# Altium PCB MS-002.22T003末端控制板PCB图 V1.0.PcbDoc
Units mil, origin at the board's own origin, x right, y up, seen from the top; angles counter-clockwise.
Board outline 2677.05 x 2480.31 mil, 2 copper layers (Top Layer, Bottom Layer), stack 61.756 mil thick; 52 components, 42 nets, 148 pads, 81 vias.
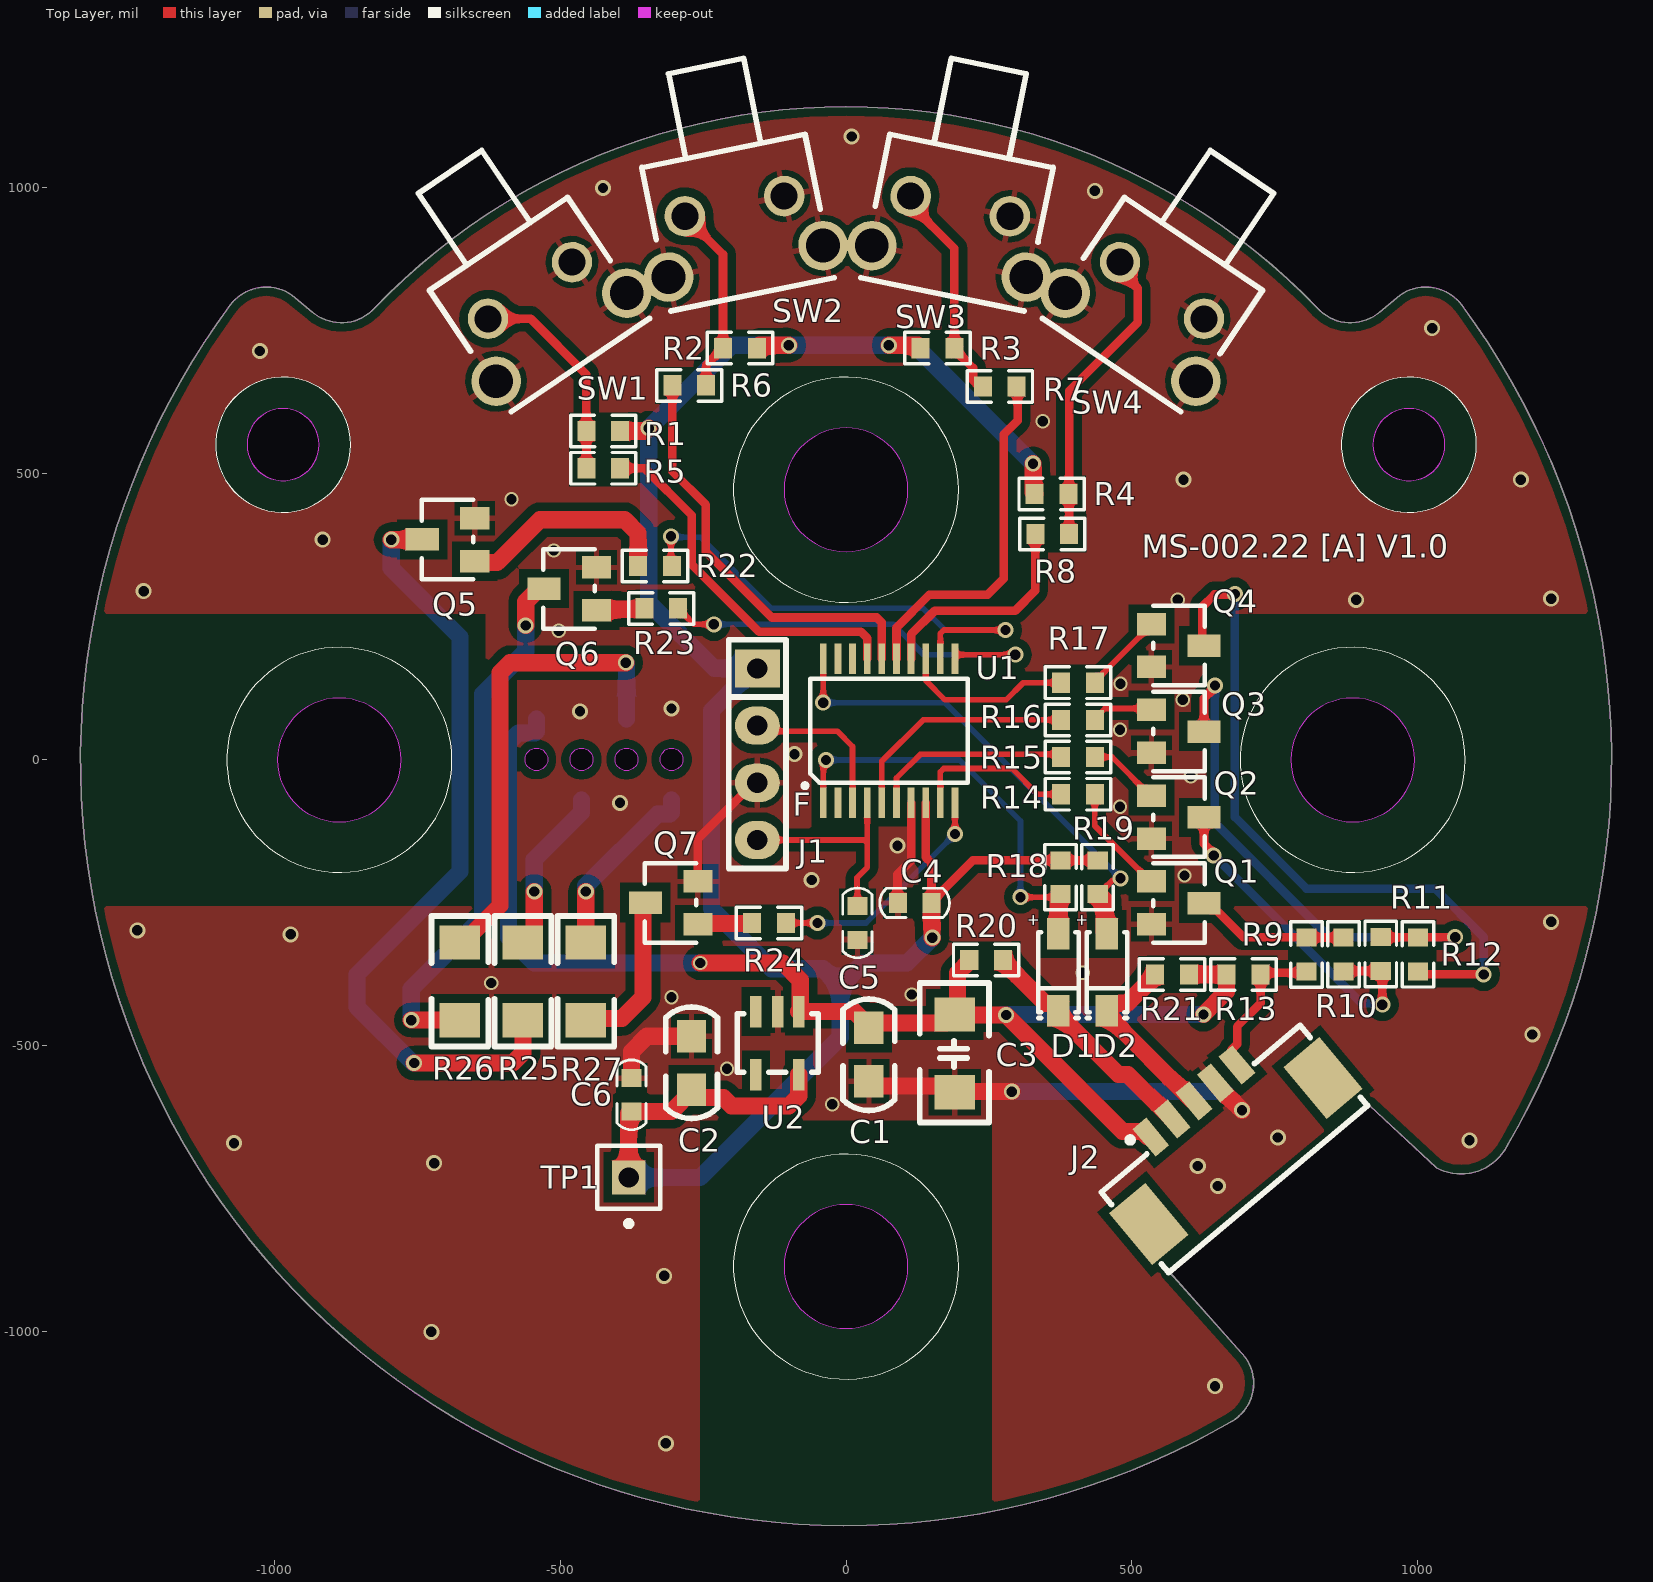
[diagram p0: Top Layer view]
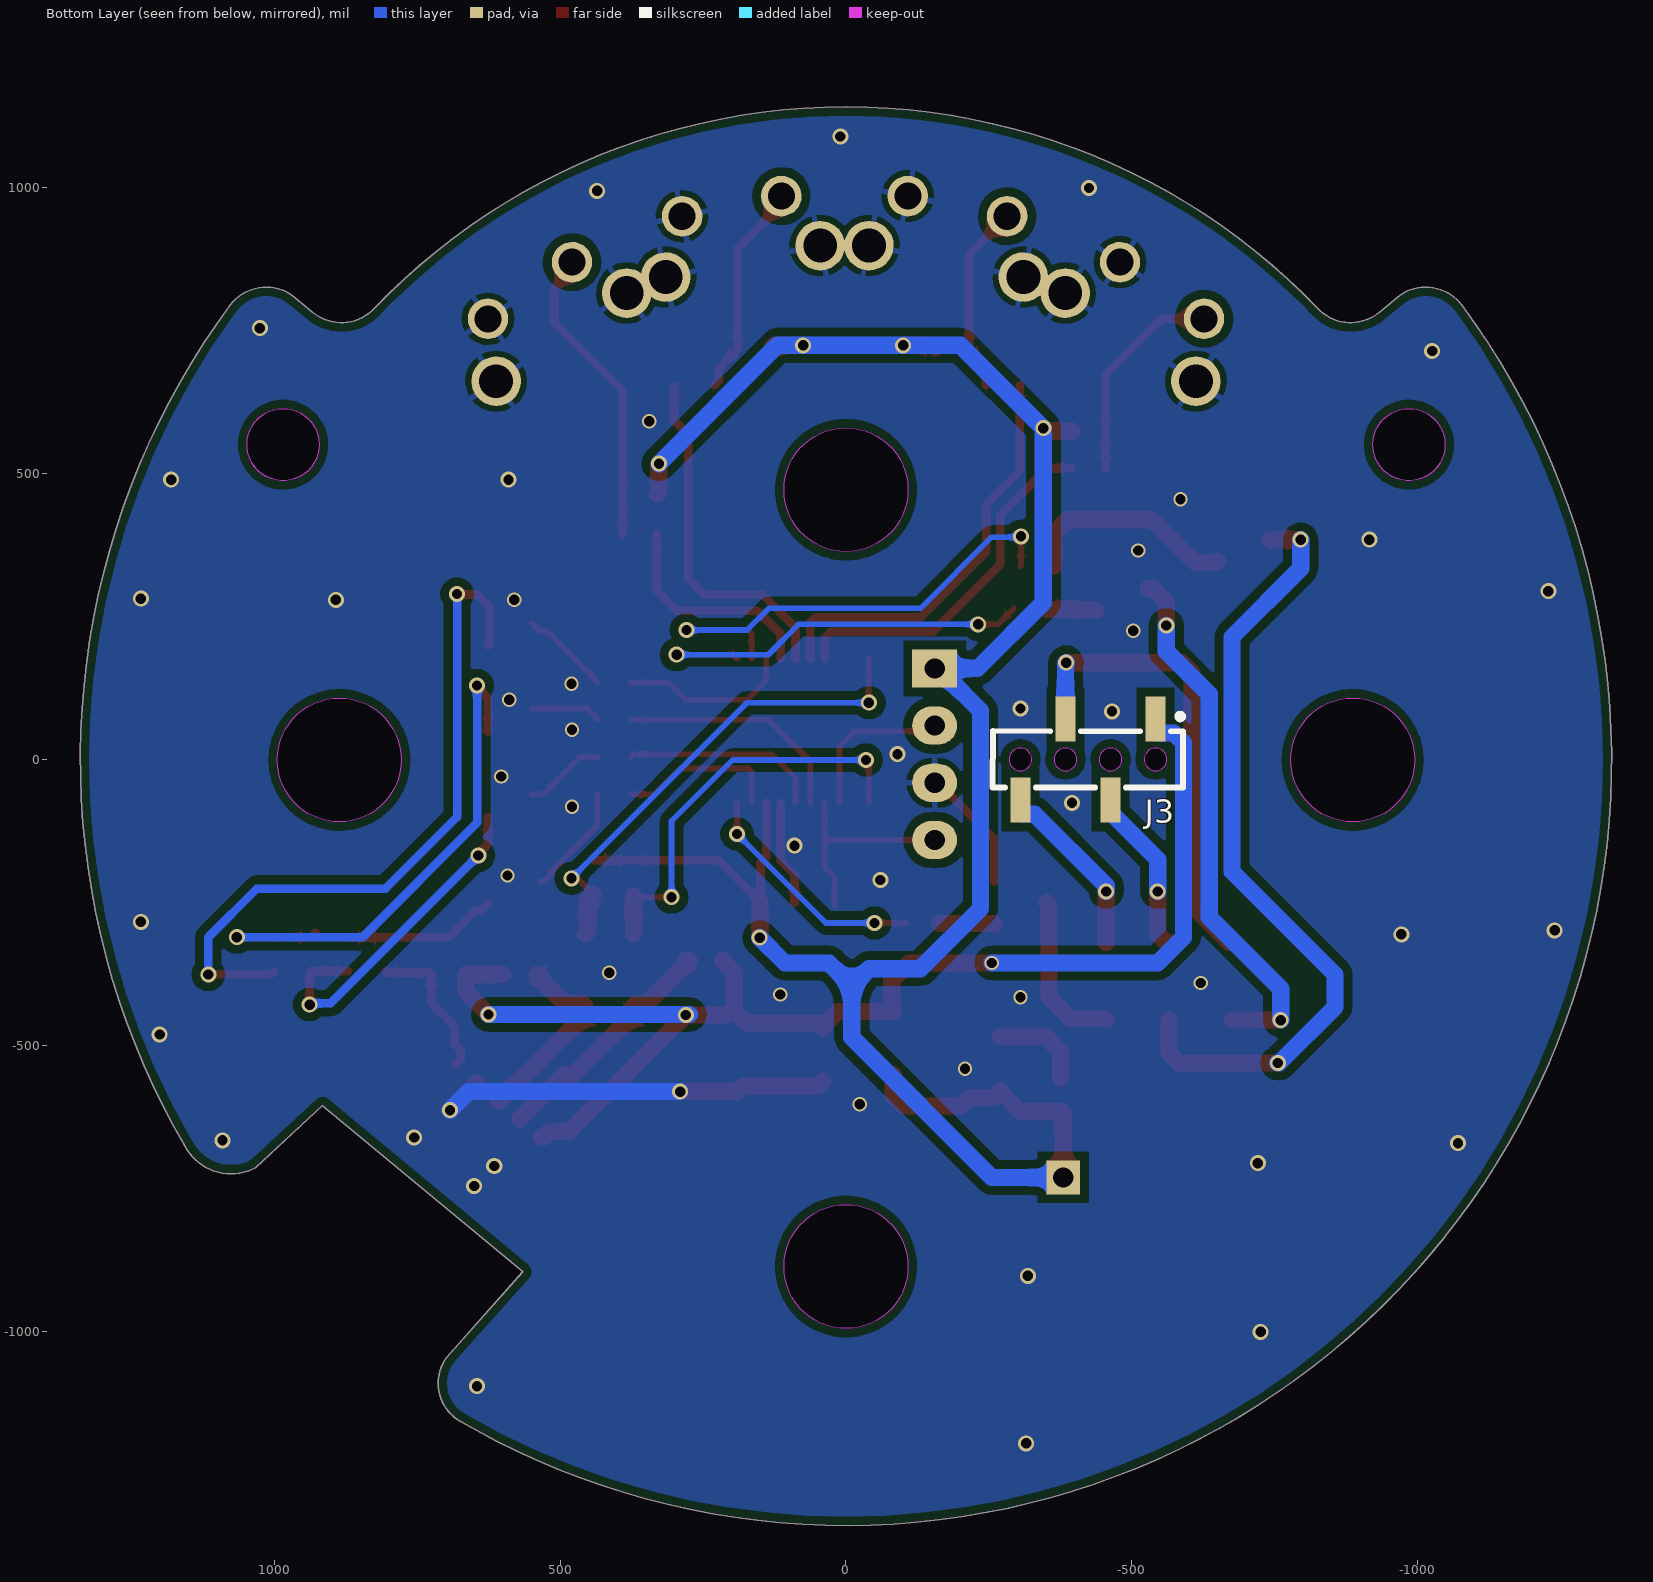
[diagram p1: Bottom Layer view, seen from below]
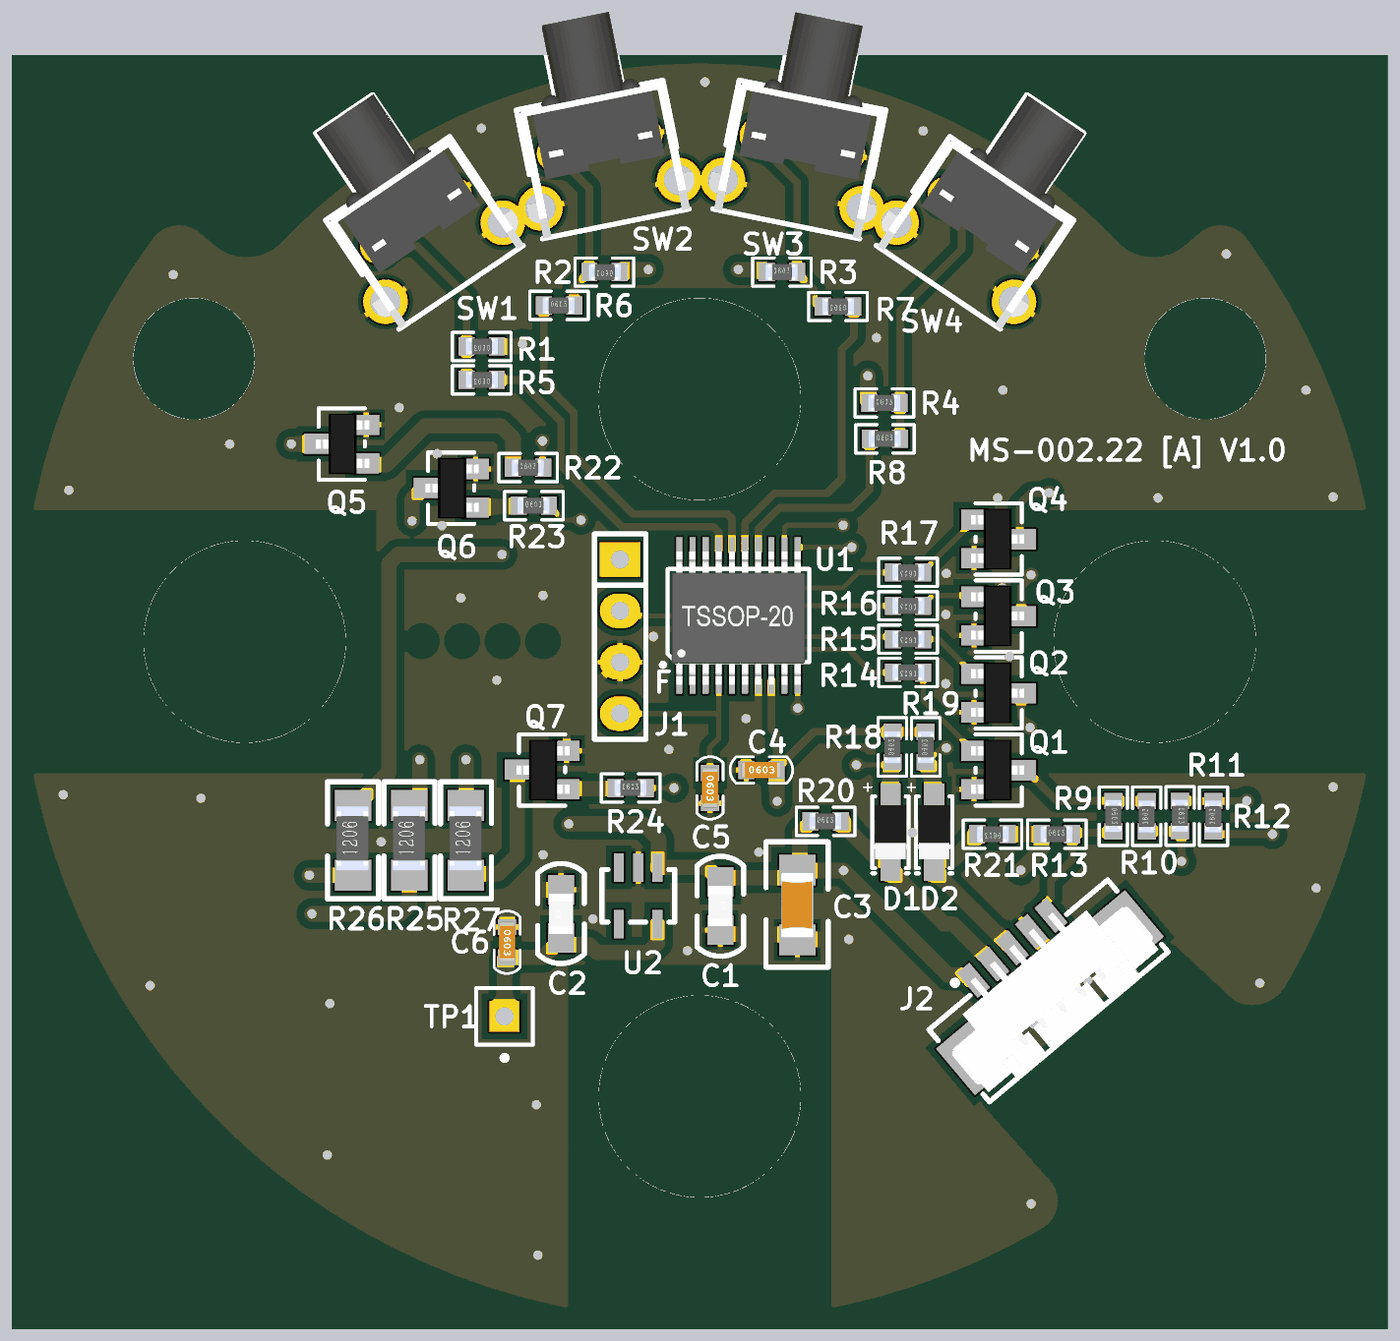
[diagram p2: 3D render of the assembled board from above, using the file's embedded part models]

## Layer stack, top to bottom
Top Solder: solder mask 1, SM-001, Dk 4
Top Layer: signal copper 1.378
Dielectric 1: core 59, Core-043, Dk 4.3
Bottom Layer: signal copper 1.378
Bottom Solder: solder mask 1, SM-001, Dk 4

## Board outline
-1077.19,794.65 ccw(c0,0) 680.64,-1152.62 ccw(c635.47,-1089.76) 698.33,-1044.59 565,-895 915.52,-604.44 1032.03,-712.82 ccw(c1075.29,-632.78) 1155.32,-676.04 ccw(c0,0) 1077.19,794.65 ccw(c1013.82,747.91) 963.21,808.23 932.99,782.87 cw(c882.38,843.19) 825.45,788.79 ccw(c0,0) -825.45,788.79 cw(c-882.38,843.19) -932.99,782.87 -963.21,808.23 ccw(c-1013.82,747.91)
cut-out: 921.26,551.18 ccw(c984.25,551.18) 984.25,488.19 ccw(c984.25,551.18) 1047.24,551.18 ccw(c984.25,551.18) 984.25,614.17 ccw(c984.25,551.18)
cut-out: -1047.24,551.18 ccw(c-984.25,551.18) -984.25,488.19 ccw(c-984.25,551.18) -921.26,551.18 ccw(c-984.25,551.18) -984.25,614.17 ccw(c-984.25,551.18)
cut-out: 777.56,0 ccw(c885.83,0) 885.83,-108.27 ccw(c885.83,0) 994.09,0 ccw(c885.83,0) 885.83,108.27 ccw(c885.83,0)
cut-out: -108.27,472.44 ccw(c0,472.44) 0,364.17 ccw(c0,472.44) 108.27,472.44 ccw(c0,472.44) 0,580.71 ccw(c0,472.44)
cut-out: -108.27,-885.83 ccw(c0,-885.83) 0,-994.09 ccw(c0,-885.83) 108.27,-885.83 ccw(c0,-885.83) 0,-777.56 ccw(c0,-885.83)
cut-out: -994.09,0 ccw(c-885.83,0) -885.83,-108.27 ccw(c-885.83,0) -777.56,0 ccw(c-885.83,0) -885.83,108.27 ccw(c-885.83,0)

## Design rules (kind name [scope] priority, off if disabled: settings)
Clearance Clearance_1 [InPolygon] p1: gap=15 ignorepadtopadclearanceinfootprint=FALSE
Clearance [All] p2: gap=10 ignorepadtopadclearanceinfootprint=FALSE
ComponentClearance [All] p1 off: gap=0 collisioncheckmode=3 verticalgap=100000 showdistances=TRUE
HoleSize [All] p1: absolutevalues=TRUE maxlimit=500 minlimit=0 maxpercent=80.000 minpercent=20.000
HoleToHoleClearance [All] p1: gap=0 allowstackedmicrovias=TRUE
MinimumSolderMaskSliver [All] p1: minsoldermaskwidth=0
PlaneConnect [All] p1: pad.planeconnectstyle=Relief pad.reliefexpansion=20 pad.reliefentries=4 pad.reliefconductorwidth=10 pad.reliefairgap=10 via.planeconnectstyle=Direct via.reliefexpansion=20 via.reliefentries=4 via.reliefconductorwidth=10 via.reliefairgap=10
PolygonConnect [All] p1: thpad.connectstyle=Relief thpad.reliefconductorwidth=10 thpad.reliefentries=4 thpad.polygonreliefangle="90 Angle" thpad.airgapwidth=10 smdpad.connectstyle=Relief smdpad.reliefconductorwidth=10 smdpad.reliefentries=4 smdpad.polygonreliefangle="90 Angle" smdpad.airgapwidth=10 via.connectstyle=Direct via.reliefconductorwidth=10 via.reliefentries=4 via.polygonreliefangle="90 Angle" via.airgapwidth=10
RoomDefinition MS-002.22T002 [InComponentClass('MS-002.22T002')] p1: confinementstyle=ConfineOut formatcopy=TRUE lockcomponents=FALSE outline 1310,-790 1925,-790 1925,-655 1310,-655
RoutingVias [All] p1: holewidth=18 width=25 viastyle="Through Hole" minholewidth=18 minwidth=25 maxholewidth=18 maxwidth=25
SilkToSilkClearance [All] p1: silktosilkclearance=0
SilkToSolderMaskClearance [IsPad] p1: minsilkscreentomaskgap=0 clearancetoexposedcopper=TRUE
SolderMaskExpansion [IsVia] p1: expansion=4 istentingtop=TRUE
SolderMaskExpansion SolderMaskExpansion_1 [All] p2: expansion=4 istentingtop=FALSE
Width [All] p1: maxlimit=30 minlimit=10 preferedwidth=10
23 further rules are at their usual default settings.

## Components (designator, comment, footprint, x,y, rotation, side; value= is the part's Value field where it differs from the comment)
C1 "1uF/0805" 0805_C 40,-515 r270 top value=100nF
C2 "2.2uF/0805" 0805_C -270,-530 r90 top value=100nF
C3 "10uF/1206/50V" 1206_C 190,-445 r270 top value=100nF
C4 "0.1uF" 0603_C 120,-250 r180 top value=100nF
C5 "0.1uF" 0603_C 20,-285 r90 top value=100nF
C6 "0.1uF" 0603_C -375,-585.5 r90 top value=100nF
D1 "B5819W" SOD-123 371.24,-371.22 r270 top
D2 "B5819W" SOD-123 456.24,-371.22 r270 top
J1 "4PIN" SIP4_2.54 -155,10 r90 top
J2 "5PIN" 1.25T-5P-WT 645,-640 r40 top locked
J3 "4PIN" CONN-SMD_2243-104 -423.11,0.87 r0 bottom locked
Q1 "S8050" SOT-23_3 580,-250 r270 top
Q2 "S8050" SOT-23_3 580,-100 r270 top
Q3 "S8050" SOT-23_3 580,50 r270 top
Q4 "S8050" SOT-23_3 580,200 r270 top
Q5 "S8050" SOT-23_3 -695,385 r90 top
Q6 "S8050" SOT-23_3 -482,299 r90 top
Q7 "S8050" SOT-23_3 -305,-250 r90 top
R1 "10k" 0603_R -424.5,575 r180 top
R2 "10k" 0603_R -185.5,720 r180 top
R3 "10k" 0603_R 160,720 r0 top
R4 "10k" 0603_R 359.5,465 r0 top
R5 "100k" 0603_R -424.5,510 r180 top
R6 "100k" 0603_R -274,655 r0 top
R7 "100k" 0603_R 269,653 r180 top
R8 "100k" 0603_R 360.5,395 r0 top
R9 "200R" 0603_R 805,-340 r270 top
R10 "330R" 0603_R 870,-340 r90 top
R11 "510R" 0603_R 935,-339.5 r270 top
R12 "1.5k" 0603_R 1000,-340 r90 top
R13 "1k" 0603_R 695,-375 r0 top
R14 "2k" 0603_R 405.5,-60 r180 top
R15 "2k" 0603_R 405.5,5 r180 top
R16 "2k" 0603_R 405.5,70 r180 top
R17 "2k" 0603_R 405.5,135 r180 top
R18 "10k" 0603_R 375,-205 r90 top
R19 "10k" 0603_R 440,-205 r90 top
R20 "10k" 0603_R 245,-350 r0 top
R21 "10k" 0603_R 570,-375 r180 top
R22 "2k" 0603_R -334,339 r0 top
R23 "2k" 0603_R -323,265 r0 top
R24 "2k" 0603_R -134.5,-285 r0 top
R25 "200R/1206" 1206_R -565,-455 r90 top
R26 "0R/1206" 1206_R -675,-455 r90 top
R27 "200R/1206" 1206_R -455,-455 r90 top
SW1 "TC-1102N-C-EL-B" TC-1102N-C-EL-B -525,780 r214 top locked
SW2 "TC-1102N-C-EL-B" TC-1102N-C-EL-B -185,920 r191.5 top locked
SW3 "TC-1102N-C-EL-B" TC-1102N-C-EL-B 190,920 r168.5 top locked
SW4 "TC-1102N-C-EL-B" TC-1102N-C-EL-B 525,780 r146 top locked
TP1 "3.3V" TP1 -380,-730 r180 top
U1 "STM8L101F3P6" TSSOP-20 75.43,50.98 r90 top
U2 "TPS70933DBVR" SOT-23_5 -120,-495 r180 top

## Footprints (in the part's own frame and the unit in brackets; to place one, negate y for a bottom-side part, rotate by r counter-clockwise, add the part's x,y. Pads: shape width x height; smd on the part's side, far side on the other; paste and mask are expansions set on the pad)
1.25T-5P-WT [mm]
  rect 0.8x1.6 smd: 1(-2.5,1.45) 2(-1.25,1.45) 3(0,1.45) 4(1.25,1.45) 5(2.5,1.45)
  rect 2.1x3 smd: 6(-5.05,-1.45) 7(5.05,-1.45)
  silkscreen extent -5.76,-3.66 5.77,2.07, body extent -5.7,-3.68 5.7,1.51, height 3.4
0603_C [mm]
  rect 0.8x0.9 smd: 1(-0.749,0) 2(0.749,0)
  silkscreen extent -1.55,-0.65 1.55,0.65, body extent -0.99,-0.39 1.01,0.39, height 0.79
0603_R [mm]
  rect 0.8x0.9 smd: 1(-0.749,0) 2(0.749,0)
  silkscreen extent -1.45,-0.7 1.45,0.7, body extent -0.81,-0.4 0.79,0.4, height 0.42
0805_C [mm]
  rect 1.45x1.3 smd: 1(-1.19,0) 2(1.19,0)
  silkscreen extent -2.47,-1.15 2.49,1.15, body extent -1,-0.6 1,0.6, height 0.8
1206_C [mm]
  rect 1.524x1.8 smd: 1(0,0) 2(3.45,0)
  silkscreen extent -1.4,-1.55 4.8,1.52, body extent 0.13,-0.8 3.33,0.8, height 1.3
1206_R [mm]
  rect 1.524x1.8 smd: 1(0,0) 2(3.45,0)
  silkscreen extent -1.17,-1.26 4.62,1.26, body extent 0.23,-0.77 3.43,0.83, height 0.58
CONN-SMD_2243-104 [mm]
  rect 0.9x2 smd mask+0.05: 1(-3,-1.8) 2(-1,1.8) 3(1,-1.8) 4(3,1.8)
  Keep-Out Layer board cut-out: -2.5,0 -2.5,0.099 -2.576,0.283 -2.717,0.424 -2.901,0.5 -3.099,0.5 -3.283,0.424 -3.424,0.283 -3.5,0.099 -3.5,0 -3.5,-0.099 -3.424,-0.283 -3.283,-0.424 -3.099,-0.5 -2.901,-0.5 -2.717,-0.424 -2.576,-0.283 -2.5,-0.099 -2.5,0 -2.5,0
  Keep-Out Layer board cut-out: -0.5,0 -0.5,0.099 -0.576,0.283 -0.717,0.424 -0.901,0.5 -1.099,0.5 -1.283,0.424 -1.424,0.283 -1.5,0.099 -1.5,0 -1.5,-0.099 -1.424,-0.283 -1.283,-0.424 -1.099,-0.5 -0.901,-0.5 -0.717,-0.424 -0.576,-0.283 -0.5,-0.099 -0.5,0 -0.5,0
  Keep-Out Layer board cut-out: 1.5,0 1.5,0.099 1.424,0.283 1.283,0.424 1.099,0.5 0.901,0.5 0.717,0.424 0.576,0.283 0.5,0.099 0.5,0 0.5,-0.099 0.576,-0.283 0.717,-0.424 0.901,-0.5 1.099,-0.5 1.283,-0.424 1.424,-0.283 1.5,-0.099 1.5,0 1.5,0
  Keep-Out Layer board cut-out: 3.5,0 3.5,0.099 3.424,0.283 3.283,0.424 3.099,0.5 2.901,0.5 2.717,0.424 2.576,0.283 2.5,0.099 2.5,0 2.5,-0.099 2.576,-0.283 2.717,-0.424 2.901,-0.5 3.099,-0.5 3.283,-0.424 3.424,-0.283 3.5,-0.099 3.5,0 3.5,0
  silkscreen extent -4.22,-2.03 4.24,1.25
SIP4_2.54 [mm]
  rect 1.7x2 hole 0.9: 1(3.81,0)
  oval 1.7x2 hole 0.9: 2(1.27,0) 3(-1.27,0) 4(-3.81,0)
  silkscreen extent -5.08,-1.27 5.08,1.27
SOD-123 [mm]
  rect 1.4x1 smd: 1(-1.7,0) 2(1.7,0)
  silkscreen extent -1.78,-0.9 2.03,0.9, body extent -1.85,-0.8 1.85,0.8
SOT-23_3 [mm]
  rect 1x1.29 smd: 1(-0.952,-1.166) 2(0.953,-1.166)
  rect 1x1.47 smd: 3(0.013,1.166)
  silkscreen extent -1.77,-1.09 1.77,1.19, body extent -1.5,-1.32 1.5,1.32, height 1.08
SOT-23_5 [mil]
  rect 20x55.12 smd: 1(-37.5,-55.12) 2(-0.5,-55.12) 3(37.5,-55.12) 4(37.5,55.12) 5(-37.5,55.12)
  silkscreen extent -71,-51 70,51
TC-1102N-C-EL-B [mm]
  round 1.8 hole 1.2: 1(-2.25,-1.25) 2(2.25,-1.25)
  round 2.2 hole 1.5: 3(3.5,1.25) 4(-3.5,1.25)
  silkscreen extent -3.7,-7.6 3.7,2.75, body extent -4.25,-7.6 4.15,2.75, height 6.6
TP1 [mm]
  rect 1.5x1.5 hole 0.9: 1(0,0)
  silkscreen extent -1.4,-1.4 1.4,2.17
TSSOP-20 [mm]
  rect 1.35x0.3 smd: 1(-3.2,2.925) 2(-3.2,2.275) 3(-3.2,1.625) 4(-3.2,0.975) 5(-3.2,0.325) 6(-3.2,-0.325) 7(-3.2,-0.975) 8(-3.2,-1.625) 9(-3.2,-2.275) 10(-3.2,-2.925) 11(3.2,-2.925) 12(3.2,-2.275) 13(3.2,-1.625) 14(3.2,-0.975) 15(3.2,-0.325) 16(3.2,0.325) 17(3.2,0.975) 18(3.2,1.625) 19(3.2,2.275) 20(3.2,2.925)
  silkscreen extent -2.54,-3.5 2.3,3.84, body extent -3.42,-3.3 3.18,3.3, height 1.2

## Part data
C1 C2 C3 C4 C5 C6: library part Cap, "Capacitor", LatestRevisionDate=17-Jul-2002, LatestRevisionNote="Re-released for DXP Platform.", PackageDescription="Radial Cap, Thru-Hole; 2 Leads; 0.3 in Pin Spacing", PackageReference=RAD-0.3, Published=8-Jun-2000, Publisher="Altium Limited"
D1 D2: library part 1N4148, "Diode", Code_JEDEC=DO-204-AH, ComponentLink1Description="Manufacturer Link", ComponentLink1URL=http://www.fairchildsemi.com/, ComponentLink2Description=Datasheet, ComponentLink2URL=http://www.fairchildsemi.com/ds/1N%2F1N4148.pdf, DatasheetVersion=1997, LatestRevisionDate=17-Jul-2002, LatestRevisionNote="Re-released for DXP Platform.", PackageDescription="Diode, Axial; Body 3.8 x 1.9 mm (LxDia. max), Lead Dia. 0.53 mm (max)", PackageReference=DO-35, Published=8-Jun-2000, Publisher="Altium Limited"
Q1 Q2 Q3 Q4 Q5 Q6 Q7: library part NPN
R1 R2 R3 R4 R9 R10 R11 R12 R13 R14 R15 R16 R17 R18 R19 R20 R21 R22 R23 R24: library part RES
R5 R6 R7 R8: library part "0603 10KΩ (1002) 1%", "贴片电阻", Package=0603, SuppliersPartNumber=C25804, ComponentLink1Description=供应商链接, ComponentLink1URL=http://www.szlcsc.com/product/details_26547.html, Supplier=LC
R25 R26 R27: library part RES_0805
SW1 SW2 SW3 SW4: BOM_JLCPCB Part Class="Extended Part", BOM_Manufacturer="XKB Enterprise", BOM_Manufacturer Part=TC-1102N-C-EL-B, BOM_Supplier=LCSC, BOM_Supplier Part=C406157, Contributor=LCSC, spicePre=S, spiceSymbolName=TC-1102N-C-EL-B
TP1: library part TP

## Via types
v1: diameter 28, hole 18, Top Layer to Bottom Layer, tented both sides, 63 vias
v2: diameter 25, hole 18, Top Layer to Bottom Layer, tented both sides, 18 vias

## Nets (pads, with @x,y where several pads share a name; then routed paths per layer and width w, separated by ;. In a path a pad name is that pad's centre, name@x,y a point inside that pad or via, vN(x,y) a via of type N, cw(c..) or ccw(c..) an arc to the next point about the centre after c; other vN are vias at no path point)
B: R24.2 U1.10 | length 415.3
  Top Layer w10: R24.2 v1(-50,-285) ; v1@190,-130 v1(190.59,-129.41) U1.10
  Bottom Layer w10: v1(-50,-285) 35,-285 v1(190.59,-129.41)
G: R23.2 U1.11 | length 735
  Top Layer w10: R23.2 -265.5,237 v1(-231,237) ; U1.11 190.59,183.09 191.5,184 v1(296,184)
  Bottom Layer w10: v1(-231,237) 83,237 136,184 v1(296,184)
GND: C1.2 C2.2 C3.2 C4.2 C5.1 C6.2 J1.3 J2.4 Q1.2 Q2.2 Q3.2 Q4.2 Q5.2 Q6.2 Q7.2 SW1.1 SW1.3 SW1.4 SW2.1 SW2.3 SW2.4 SW3.1 SW3.3 SW3.4 SW4.1 SW4.3 SW4.4 U1.7 U2.2 | length 1307.6
  Top Layer w15: Q7.2 -259.09,-138.19 -160.91,-40 J1.3 ; C4.2 90,-249.5 90,-200 113.82,-176.18 U1.7
  Top Layer w30: C6.2 -375,-510 -348.17,-483.17 C2.2 ; C1.2 48.17,-570 179.17,-570 C3.2 190.83,-580 v1(290,-580) ; J2.4 646,-566 v1(692.5,-612.5)
  Bottom Layer w30: v1(290,-580) 660,-580 v1(692.5,-612.5)
  other v1: -315,-1195 645,-1095 -725,-1000 -318,-902 650,-745 615,-710 -720,-705 -1070,-670 1090,-665 755,-660 1200,-480 -971,-305 -1239,-298 1233,-283 -60,-210 90,-150 -395,-75 -90,10 -465,85 -305,90 892,280 1233,282 -1228,295 -915,385 590,490 1180,490 -1025,715 1025,755 435,995 -425,1000 10,1090
  other v2: -24,-602 -208,-540 -305,-415 115,-410 -620,-390 414,-372 592,-202 479,-82 603,-29 479,53 589,105 480,133 -502,226 580,280 -511,366 -585,456 344,592
Keyout: J2.5 R9.2 R13.2 | length 268.4
  Top Layer w15: J2.5@683.7,-531.06 J2.5 673.58,-522.88 673.58,-507.42 683.7,-497.3 683.7,-466.3 725,-425 725,-375.5 R13.2 727.25,-372.25 802.25,-372.25 R9.2
NetC5_2: C5.2 J1.4 U1.4 | length 382.4
  Top Layer w10: J1.4 32.05,-140 37.05,-145 ; C5.2 20,-224.75 19.14,-223.89 19.14,-205.86 37.05,-187.95 37.05,-145 ; U1.4 37.05,-145
NetD1_1: D1.1 R18.1 U1.1 | length 732.7
  Top Layer w10: U1.1 -39.72,-9.6 -35,-4.87 v1(-35,0) ; v1(305,-240) 369.5,-240 371.24,-238.26 R18.1
  Top Layer w30: D1.1 R18.1@371.24,-238.26
  Bottom Layer w10: v1(-35,0) 198.23,0 305,-106.77 v1(305,-240)
NetD1_2: D1.2 J2.2 R20.2 | length 421.6
  Top Layer w30: R20.2 274.5,-351.97 348.12,-425.59 366.56,-425.59 371.24,-430.28 D1.2 371.24,-446.03 375.93,-450.71 377.08,-450.71 476.37,-550 492.7,-550 J2.2
NetD2_1: D2.1 R19.1 U1.20 | length 853.3
  Top Layer w10: v1(-40,100) -39.86,100.14 -39.86,176.83 U1.20 ; R19.1@442.47,-235 440.5,-235 R19.1 441.97,-234.5 466.02,-210.44 476.56,-210.44 v1(480,-207)
  Top Layer w30: R19.1@442.47,-235 451.56,-244.09 451.56,-299.61 D2.1
  Bottom Layer w10: v1(-40,100) 173,100 v1(480,-207)
NetD2_2: D2.2 J2.3 R21.2 | length 338.3
  Top Layer w30: R21.2 540.5,-376.97 491.88,-425.59 460.93,-425.59 456.24,-430.28 D2.2 456.24,-446.03 606.49,-596.27 J2.3
NetJ1_2: J1.2 U1.3 | length 280.1
  Top Layer w10: J1.2 -145,50 -15,50 11.46,23.54 U1.3
NetQ1_1: Q1.1 R14.1 | length 196.9
  Top Layer w10: R14.1 435,-115 513.7,-193.7 513.7,-197.82 528.39,-212.5 Q1.1
NetQ1_3: Q1.3 R9.1 R10.2 | length 268.9
  Top Layer w15: Q1.3 638.09,-262.69 647.69,-262.69 695,-310 804.5,-310 R9.1 R10.2
NetQ2_1: Q2.1 R15.1 | length 141.9
  Top Layer w10: R15.1 465,5 530,-60 Q2.1@550,-60
NetQ2_3: Q2.3 R10.1 R11.2 | length 601.7
  Top Layer w15: Q2.3 625.91,-146.51 642.87,-163.48 v1(642.87,-167) ; R10.1 870.25,-369.25 934.75,-369.25 R11.2 937.82,-371.82 v1(937.82,-427.82)
  Bottom Layer w15: v1(642.87,-167) 901.32,-425.45 935.45,-425.45 v1(937.82,-427.82)
NetQ3_1: Q3.1 R16.1 | length 124.4
  Top Layer w10: R16.1 435,71.97 453.03,90 Q3.1@550,90
NetQ3_3: Q3.3 R11.1 R12.2 | length 973.8
  Top Layer w15: Q3.3 625.91,107.39 645,126.48 v1(645,130) ; Q3.3@641.81,52 Q3.3@642.87,53.06 ; R11.1@927.49,-302.49 R11.1 935.25,-310.25 999.75,-310.25 R12.2 1000.25,-310.25 1064.75,-310.25 v1(1065,-310)
  Bottom Layer w15: v1(645,130) 645,-110 845,-310 v1(1065,-310)
NetQ4_1: Q4.1 R17.1 | length 159.6
  Top Layer w10: R17.1 435,136.97 523.35,225.32 535.32,225.32 Q4.1@550,240
NetQ4_3: Q4.3 R12.1 | length 1230.2
  Top Layer w15: Q4.3 622.9,202.51 622.9,267.9 644.19,289.19 679.19,289.19 v1(680,290) ; R12.1 1005.5,-375 v1(1115,-375)
  Bottom Layer w15: v1(680,290) 680,-100 805,-225 1030,-225 1115,-310 v1(1115,-375)
NetQ5_1: Q5.1 R22.1 | length 384.9
  Top Layer w30: Q5.1 -646.6,345 -610,345 -535,420 -387,420 -363.5,396.5 R22.1
NetQ5_3: Q5.3 R25.1 | length 1391
  Top Layer w30: v1(-795,385) -741.41,385 Q5.3 ; v1(-755,-530) -582.57,-530 -565,-512.43 R25.1
  Bottom Layer w30: v1(-795,385) -795,335 -675,215 -675,-195 -855,-375 -855,-432.23 -757.23,-530 v1(-755,-530)
NetQ6_1: Q6.1 R23.1 | length 85.6
  Top Layer w30: Q6.1 -434.35,263.25 -353.25,263.25 -352.5,264 R23.1
NetQ6_3: Q6.3 R26.1 | length 941.1
  Top Layer w30: v1(-760,-455) R26.1 ; v1(-560,235) -560,276.66 -537.16,299.5 Q6.3
  Bottom Layer w30: v1(-760,-455) -760,-400 -635,-275 -635,115 -560,190 v1(-560,235)
NetQ7_1: Q7.1 R24.1 | length 96.4
  Top Layer w30: Q7.1 -257.85,-286.25 -164.75,-286.25 -164,-285.5 R24.1
NetQ7_3: Q7.3 R27.1 | length 283.8
  Top Layer w30: R27.1 -452.14,-452.14 -392.14,-452.14 -355,-415 -355,-253.59 Q7.3
NetR1_2: R1.2 R5.2 SW1.2 | length 376.2
  Top Layer w15: SW1.2 -551.26,771.26 -454,674 R1.2 R5.2
NetR2_2: R2.2 R6.2 SW2.2 | length 336.5
  Top Layer w15: SW2.2 -215,883.95 R2.2 -215,718.03 -223.25,709.78 -225.22,709.78 -244.5,690.5 R6.2
NetR3_2: R3.2 R7.2 SW3.2 | length 379.6
  Top Layer w15: SW3.2 113.01,970.77 189.5,894.27 R3.2 189.5,718.03 222.25,685.28 222.25,663.25 R7.2@230.5,655
NetR4_2: R4.2 R8.2 SW4.2 | length 537.8
  Top Layer w15: R8.2 390,645 510,765 510,824.3 479.08,855.22 SW4.2
QB: J3.4 R27.2 | length 324
  Top Layer w30: R27.2 v1(-455,-230)
  Bottom Layer w30: v1(-455,-230) -455,-220 -329.37,-94.37 -307.72,-94.37 -305,-91.65 J3.4
QG: J3.3 R26.2 | length 829.8
  Top Layer w30: R26.2 -669.57,-319.17 -605,-254.61 -605,152.43 -587.43,170 v1(-385,170)
  Bottom Layer w30: v1(-385,170) -383.74,168.74 J3.3
QR: J3.2 R25.2 | length 294.6
  Top Layer w30: R25.2 -560,-319.17 -545,-304.17 v1(-545,-230)
  Bottom Layer w30: v1(-545,-230) -545,-174.17 -462.48,-91.65 J3.2
R: R22.2 U1.12 | length 866.2
  Top Layer w10: v1(-306,391) -306,340.5 R22.2 ; U1.12 165,221.14 170.86,227 v1(279,227)
  Bottom Layer w10: v1(-306,391) -304.5,389.5 -254.5,389.5 -130,265 135,265 173,227 v1(279,227)
SW1: R5.1 U1.17 | length 641.5
  Top Layer w15: R5.1 -352,510 -270,428 -270,342 -152,224 26,224 37,213 37,177.02 U1.17
SW2: R6.1 U1.16 | length 737.4
  Top Layer w15: R6.1 -303.5,504.5 -245,446 -245,364 -130,249 53.85,249 62.64,240.21 U1.16
SW3: R7.1 U1.15 | length 624.1
  Top Layer w15: U1.15 88.23,231.23 146,289 248,289 276,317 276,569 300,593 300,651.5 R7.1
SW4: R8.1 U1.14 | length 390.6
  Top Layer w15: U1.14 113.82,219.82 155,261 296,261 331,296 R8.1
UR_IN1: R14.2 U1.9 | length 286.2
  Top Layer w10: U1.9 165,-20.86 170.86,-15 290,-15 335,-60 R14.2
UR_IN2: R15.2 U1.6 | length 350.4
  Top Layer w10: U1.6 88.23,-31.77 130,10 371,10 R15.2
UR_IN3: R16.2 U1.5 | length 416
  Top Layer w10: U1.5 62.64,-2.36 135,70 R16.2
UR_IN4: R17.2 U1.13 | length 301.1
  Top Layer w10: U1.13 139.41,138.87 173.28,105 280,105 310,135 R17.2
VCC3V3: C2.1 C4.1 C6.1 J1.1 R1.1 R2.1 R3.1 R4.1 R18.2 R19.2 TP1.1 U1.8 U2.5 | length 4120.3
  Top Layer w15: R2.1 R2.1@-153.5,717.5 ; R3.1@128,722.5 R3.1 ; U1.8 139.41,-170 149.5,-180.09 C4.1@149.5,-248.03 ; C4.1 C4.1@149.5,-248.03 ; R19.2 R18.2 222.03,-175.5 C4.1@149.5,-248.03
  Top Layer w30: R1.1 -350,575 v1(-345,580) ; TP1.1 -380,-618.03 -376.97,-615 C6.1 -305.22,-615 C2.1@-270,-579.78 ; C2.1 C2.1@-270,-579.78 ; R2.1 -156,721.97 -155.25,722.72 -153.28,722.72 -151,725 v1(-100,725) ; U2.5 -82.5,-587.43 -100.07,-605 -200,-605 -214.63,-590.37 -259.41,-590.37 C2.1@-270,-579.78 ; v1(75,725) 125.5,725 R3.1@128,722.5 ; C4.1 150.25,-250.75 150.25,-310.25 v1(150.84,-310.84) ; v1(327.13,517.87) 327.13,467.87 R4.1
  Bottom Layer w30: TP1.1 -255,-730 -10,-485 -10,-395 ; J1.1 J1.1@-160.91,160 ; v1(150.84,-310.84) 106.68,-355 30,-355 -10,-395 ; v1(327.13,517.87) 120,725 v1(75,725) v1(-100,725) -200,725 v1(-345,580) -345,275 -230,160 J1.1@-160.91,160 ; J1.1@-160.91,160 -235,85.91 -235,-260 -130,-365 -40,-365 -10,-395
Vin: C1.1 C3.1 J2.1 J3.1 R13.1 R20.1 R21.1 U2.1 | length 2350.3
  Top Layer w30: v2(-255,-355) -110,-355 -80,-385 -80,-437.38 U2.1 14.67,-439.88 40,-465.22 C1.1 48.17,-460 175,-460 C3.1 C3.1@199.17,-435.83 ; R20.1 215.5,-351.97 195,-372.47 195,-431.65 C3.1@199.17,-435.83 ; J2.1 528.05,-659.54 517.93,-649.41 483.59,-649.41 v1(280,-445.83) 209.17,-445.83 C3.1@199.17,-435.83 ; R21.1 R13.1 665,-375.5 665,-405 v1(625,-445)
  Bottom Layer w30: J3.1 -541.22,50.08 -543.94,47.36 -572.43,47.36 -590,29.79 -590,-310 -545,-355 v2(-255,-355) ; v1@274.07,-445 v1(625,-445)
pads on no net: J2.6 J2.7 U1.2 U1.18 U1.19 U2.3 U2.4

## Polygon pours and split planes (outlines as drawn)
GND on Bottom Layer "GND_L02_P001" (solid, remove dead copper, pour order 1): -1077.19,794.65 ccw(c0,0) 680.64,-1152.62 ccw(c635.47,-1089.76) 698.33,-1044.59 565,-895 915.52,-604.44 1032.03,-712.82 ccw(c1075.29,-632.78) 1155.32,-676.04 ccw(c0,0) 1077.19,794.65 ccw(c1013.82,747.91) 963.21,808.23 932.99,782.87 cw(c882.38,843.19) 825.45,788.79 ccw(c0,0) -825.45,788.79 cw(c-882.38,843.19) -932.99,782.87 -963.21,808.23 ccw(c-1013.82,747.91)
GND on Top Layer "GND_L01_P000" (solid, remove dead copper, pour order 0): -1077.19,794.65 ccw(c0,0) 680.64,-1152.62 ccw(c635.47,-1089.76) 698.33,-1044.59 565,-895 915.52,-604.44 1032.03,-712.82 ccw(c1075.29,-632.78) 1155.32,-676.04 ccw(c0,0) 1077.19,794.65 ccw(c1013.82,747.91) 963.21,808.23 932.99,782.87 cw(c882.38,843.19) 825.45,788.79 ccw(c0,0) -825.45,788.79 cw(c-882.38,843.19) -932.99,782.87 -963.21,808.23 ccw(c-1013.82,747.91)

## Keep-outs
Keep-Out Layer:
  circle w0.5: c984.25,551.18 r62.99
  circle w0.5: c-984.25,551.18 r62.99
  circle w0.5: c0,-885.83 r108.27
  circle w0.5: c-885.83,0 r108.27
  circle w0.5: c0,472.44 r108.27
  circle w0.5: c885.83,0 r108.27
  lines w0.5: -1077.19,794.65 cw(c-1013.82,747.91) -963.21,808.23 -932.99,782.87 ccw(c-882.38,843.19) -825.45,788.79 cw(c0,0) 825.45,788.79 ccw(c882.38,843.19) 932.99,782.87 963.21,808.23 cw(c1013.82,747.91) 1077.19,794.65
  lines w1: -1077.19,794.65 ccw(c0,0) 680.64,-1152.62 ccw(c635.47,-1089.76) 698.33,-1044.59 565,-895 915.52,-604.44 1032.03,-712.82 ccw(c1075.29,-632.78) 1155.32,-676.04 ccw(c0,0) 1077.19,794.65

## Other copper
Top Layer:
  pour cut-out: -1102.43,551.18 ccw(c-984.32,551.18) -984.32,433.07 ccw(c-984.32,551.18) -866.21,551.18 ccw(c-984.32,551.18) -984.32,669.29 ccw(c-984.32,551.18)
  pour cut-out: 866.14,551.18 ccw(c984.25,551.18) 984.25,433.07 ccw(c984.25,551.18) 1102.36,551.18 ccw(c984.25,551.18) 984.25,669.29 ccw(c984.25,551.18)
  pour cut-out: -196.85,472.44 ccw(c0,472.44) 0,275.59 ccw(c0,472.44) 196.85,472.44 ccw(c0,472.44) 0,669.29 ccw(c0,472.44)
  pour cut-out: -1082.68,0 ccw(c-885.83,0) -885.83,-196.85 ccw(c-885.83,0) -688.98,0 ccw(c-885.83,0) -885.83,196.85 ccw(c-885.83,0)
  pour cut-out: -196.85,-885.83 ccw(c0,-885.83) 0,-1082.68 ccw(c0,-885.83) 196.85,-885.83 ccw(c0,-885.83) 0,-688.98 ccw(c0,-885.83)
  pour cut-out: 688.98,0 ccw(c885.83,0) 885.83,-196.85 ccw(c885.83,0) 1082.68,0 ccw(c885.83,0) 885.83,196.85 ccw(c885.83,0)
  pour cut-out: -216.54,688.98 -216.54,255.91 216.54,255.91 216.54,688.98
  pour cut-out: -1338.58,-255.91 -629.92,-255.91 -629.92,255.91 -1338.58,255.91
  pour cut-out: -255.91,-1338.58 255.91,-1338.58 255.91,-629.92 -255.91,-629.92
  pour cut-out: 1338.58,255.91 1338.58,-255.91 629.92,-255.91 629.92,255.91

## Silkscreen, mask and mechanical layers (free items; w line width, h text height)
Top Overlay:
  circle w0.5: c-885.83,0 r196.85
  circle w0.5: c0,472.44 r196.85
  circle w0.5: c0,-885.83 r196.85
  circle w0.5: c885.83,0 r196.85
  circle w0.5: c984.18,551.18 r118.11
  circle w0.5: c-984.39,551.19 r118.11
  circle w0.5: c-984.32,551.18 r118.11
  circle w0.5: c984.25,551.18 r118.11
  circle w0.5: c0,-885.83 r196.85
  circle w0.5: c0,472.44 r196.85
  circle w0.5: c885.83,0 r196.85
  circle w0.5: c-885.83,0 r196.85
  text "MS-002.22 [A] V1.0" at 517,353.9 h40
  text "F" at -93,-98 h40
Mechanical 1:
  circle w0.5: c984.25,551.18 r62.99
  circle w0.5: c-984.32,551.18 r62.99
  circle w0.5: c885.83,0 r108.27
  circle w0.5: c0,472.44 r108.27
  circle w0.5: c-885.83,0 r108.27
  circle w0.5: c0,-885.83 r108.27
  lines w0.5: -1077.19,794.65 cw(c-1013.82,747.91) -963.21,808.23 -932.99,782.87 ccw(c-882.38,843.19) -825.45,788.79 cw(c0,0) 825.45,788.79 ccw(c882.38,843.19) 932.99,782.87 963.21,808.23 cw(c1013.82,747.91) 1077.19,794.65
  lines w1: -1077.19,794.65 ccw(c0,0) 680.64,-1152.62 ccw(c635.47,-1089.76) 698.33,-1044.59 565,-895 915.52,-604.44 1032.03,-712.82 ccw(c1075.29,-632.78) 1155.32,-676.04 ccw(c0,0) 1077.19,794.65
Mechanical 5:
  circle w0.5: c885.83,0 r60.01
  circle w0.5: c0,472.44 r41.22
  circle w0.5: c-885.83,0 r60.01
  circle w0.5: c0,-885.83 r43.16
  circle w0.5: c0,-885.83 r108.27
  circle w0.5: c-885.83,0 r108.27
  circle w0.5: c885.83,0 r108.27
  circle w0.5: c0,472.44 r108.27
  lines w0.5: -723.34,812.99 -716.92,803.47 -582.75,604.3 ; -723.34,812.99 -341.13,767.07 ; -723.34,812.99 -713.73,819.86 -491.7,969.44 -481.91,976.04 ; -582.75,604.3 -341.13,767.07 ; -582.75,604.3 -481.91,976.04 ; -481.91,976.04 -475.31,966.24 -341.13,767.07 ; -357.07,1028.29 -354.73,1016.72 -310.46,798.32 -307.02,781.35 ; -357.07,1028.29 -345.5,1030.64 -83.12,1083.82 -71.55,1086.17 ; -357.07,1028.29 -21.49,839.23 ; -307.02,781.35 -21.49,839.23 ; -307.02,781.35 -71.55,1086.17 ; -71.55,1086.17 -21.49,839.23 ; 21.49,839.23 307.02,781.35 ; 21.49,839.23 71.55,1086.17 ; 21.49,839.23 357.07,1028.29 ; 71.55,1086.17 83.12,1083.82 345.5,1030.64 357.07,1028.29 ; 71.55,1086.17 307.02,781.35 ; 307.02,781.35 357.07,1028.29 ; 341.13,767.07 582.75,604.3 ; 341.13,767.07 481.91,976.04 ; 341.13,767.07 723.52,813.27 ; 481.91,976.04 499.18,964.4 713.73,819.86 723.52,813.27 ; 481.91,976.04 582.75,604.3 ; 582.75,604.3 723.52,813.27 ; -1077.19,794.65 ccw(c0,0) 1077.19,794.65 ccw(c1013.82,747.91) 963.21,808.23 932.99,782.87 cw(c882.38,843.19) 825.45,788.79 ccw(c0,0) -825.45,788.79 cw(c-882.38,843.19) -932.99,782.87 -963.21,808.23 ccw(c-1013.82,747.91) -1077.19,794.65 ; -649.61,-78.74 -649.61,78.74 -177.17,78.74 -177.17,-78.74 -649.61,-78.74

## Text inside footprints (layer, text, board x,y; h text height)
D1: Top Overlay "+" at 319.24,-269.22 h20 r270
D2: Top Overlay "+" at 404.24,-269.22 h20 r270